# Altium PCB SuperClock_Core_backup.PcbDoc (continued)
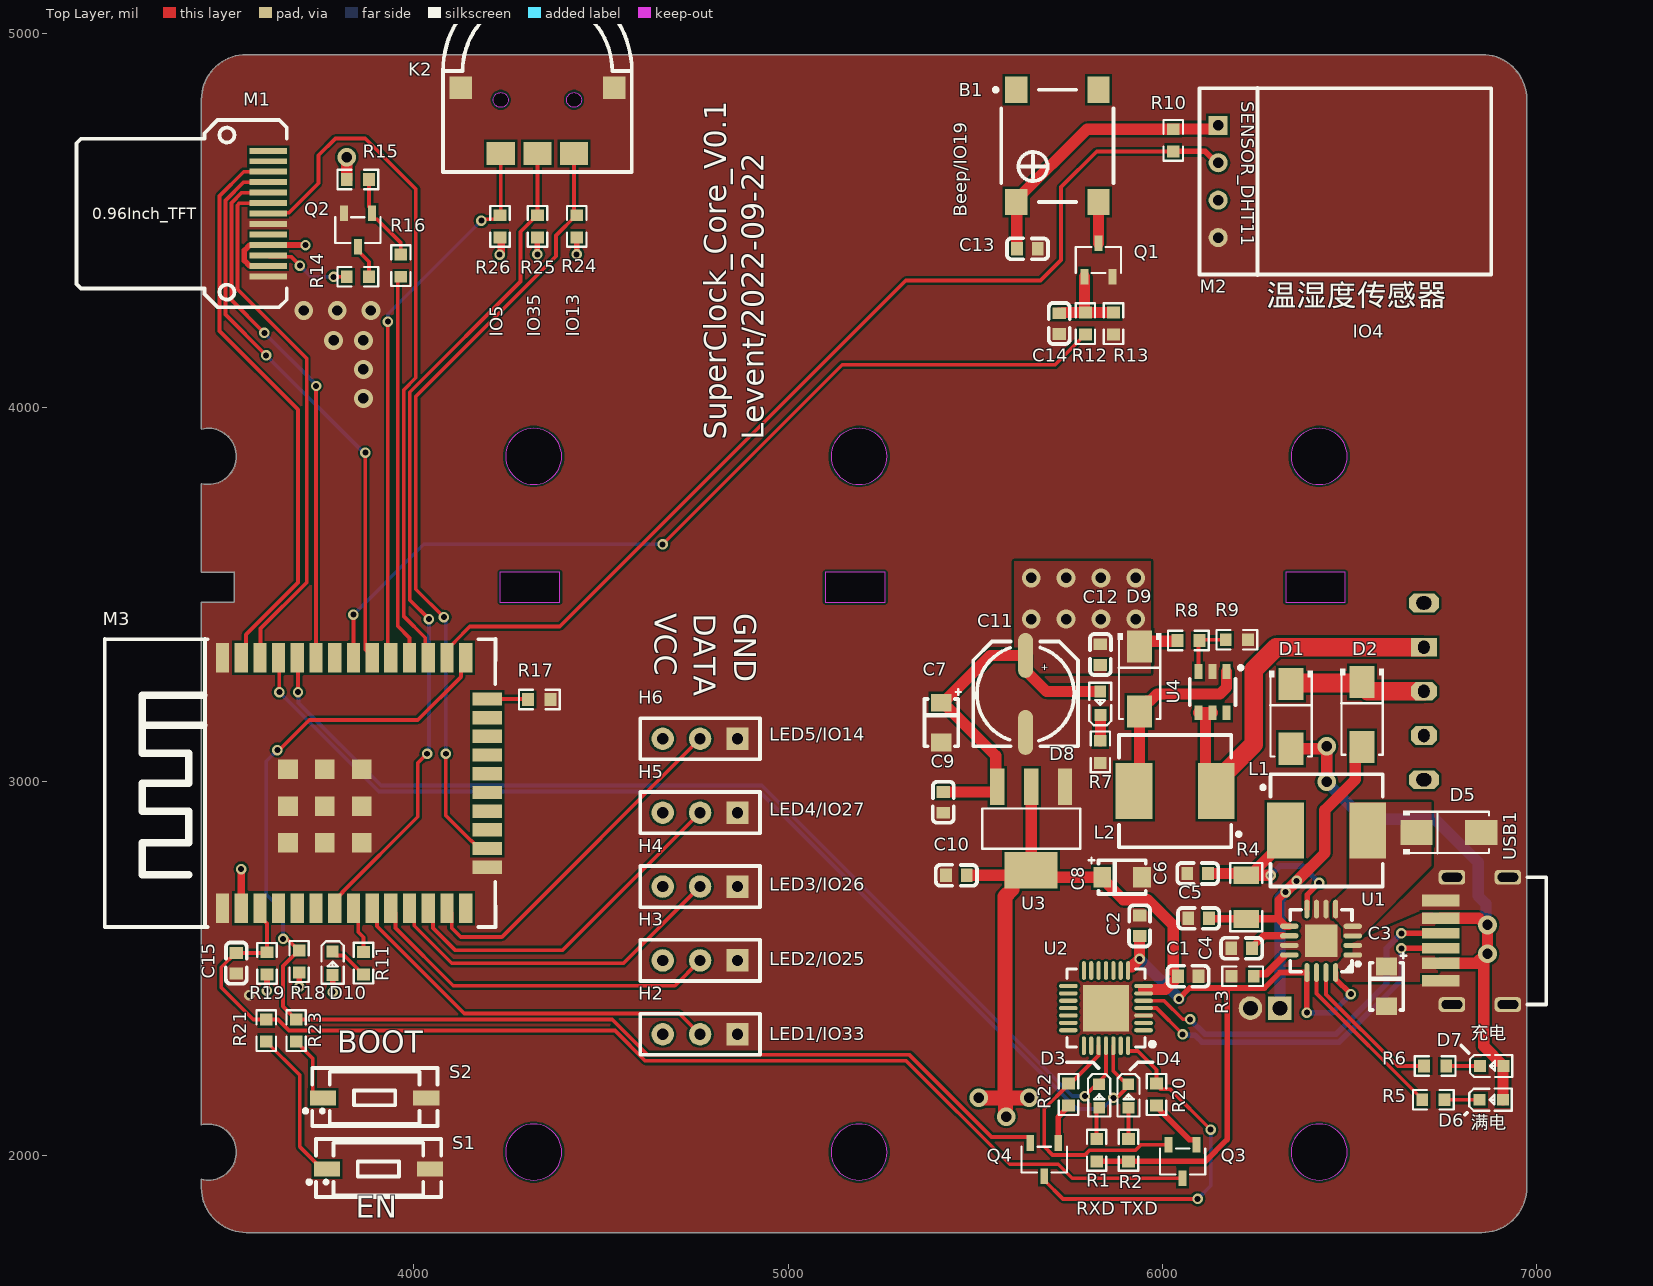
[diagram p0: Top Layer view]
## Components (designator, comment, footprint, x,y, rotation, side; value= is the part's Value field where it differs from the comment)
B1 "Beep_4Pin" Beep_4Pin_7525 5720,4700 r90 top
C1 "CAP" C0603 6070,2480 r0 top value=100nF
C2 "CAP" C0603 5940,2615 r90 top value=100nF
C3 "CAP_POL" CP1206 6600,2455 r270 top value=10uF
C4 "CAP" C0603 6212.56,2555 r180 top value=100nF
C5 "CAP" C0603 6097.56,2635 r180 top value=10uF
C6 "CAP" C0603 6095,2755 r180 top value=10uF
C7 "CAP_POL" CP1206 5410,3160 r270 top value=10uF
C8 "CAP_POL" CP1206 5891.38,2745 r0 top value=10uF
C9 "CAP" C0603 5415,2945 r270 top value=100nF
C10 "CAP" C0603 5450,2750 r180 top value=100nF
C11 "CAP_POL" CAP_SMD_6.3mm 5635,3235 r270 top value=220uF
C12 "CAP" C0603 5835,3340 r270 top value=10uF
C13 "CAP" C0603 5640,4425 r180 top value=100nF
C14 "CAP" C0603 5725,4225 r270 top value=100nF
C15 "Cap" C0603 3525,2515 r270 top value=1nF
D1 "Diode SBD" SMA_L4.3 6345,3175 r270 top
D2 "Diode SBD" SMA_L4.3 6535,3180 r270 top
D3 "LED" LED0603 5831.64,2160 r270 top
D4 "LED" LED0603 5909.98,2160 r270 top
D5 "Diode SBD" SMA_L4.3 6766.61,2865 r0 top
D6 "LED" LED0603 6880,2150 r0 top
D7 "LED" LED0603 6881.48,2240.14 r0 top
D8 "LED" LED0603 5835,3210 r90 top
D9 "Diode SBD" SMA_L4.3 5940,3275 r270 top
D10 "LED" LED0603 3782.32,2515 r270 top
H1 "Header_P2" PH_2Pin 6275.63,2395 r0 bottom
H2 "Header" H_2.54_P3 4765,2325 r180 top
H3 "Header" H_2.54_P3 4765,2522.5 r180 top
H4 "Header" H_2.54_P3 4765,2720 r180 top
H5 "Header" H_2.54_P3 4765,2917.5 r180 top
H6 "Header" H_2.54_P3 4765,3115 r180 top
K1 "KEY_3P" SWITCH_3P_2 6710,3215 r270 bottom
K2 "KEY_DIAL_3" KEY_DIAL_3 4330,4680 r0 top
L1 "INDU" SMD_L7.1 6439.77,2870 r0 top
L2 "INDU" SMD_L7.1 6034.76,2975 r180 top
M1 "TFT_0.96_13Pin" TFT_0.96_13Pin 3610,4519 r0 top
M2 "DHT11" SENSOR-TH_DHT11-HOR 6150,4605 r270 top
M3 "ESP32-WROOM-32D(U)" ESP32-WROOM-32D 3813.15,2996.57 r90 top
Q1 "SS8050" SOT-23-3 5830,4395 r270 top
Q2 "SS8050" SOT-23-3 3850,4475 r90 top
Q3 "SS8050" SOT-23-3 6055,1985 r90 top
Q4 "SS8550" SOT-23-3 5685,1990 r90 top
R1 "Reg" R0603 5825,2015 r270 top value=10K
R2 "Reg" R0603 5910,2015 r270 top value=10K
R3 "Reg" R0603 6215.35,2480 r180 top value=320K
R4 "Reg" R1206 6225,2691.78 r90 top value=0.05R
R5 "Reg" R0603 6725.35,2150 r0 top value=10K
R6 "Reg" R0603 6730,2240 r0 top value=10K
R7 "Reg" R0603 5835,3080 r90 top value=10K
R8 "Reg" R0603 6070.39,3377.55 r180 top value=2.2K
R9 "Reg" R0603 6200,3380 r0 top value=300R
R10 "Reg" R0603 6030,4715 r270 top value=10K
R11 "Reg" R0603 3865,2515 r270 top value=10K
R12 "Reg" R0603 5795,4225 r270 top value=1K
R13 "Reg" R0603 5870,4225 r270 top value=10K
R14 "Reg" R0603 3850,4350 r180 top value=10R
R15 "Reg" R0603 3850,4610 r180 top value=10K
R16 "Reg" R0603 3965,4380 r270 top value=1K
R17 "Reg" R0603 4335,3220 r0 top value=5K
R18 "Reg" R0603 3693.03,2519.66 r270 top value=5K
R19 "Reg" R0603 3607.04,2514.66 r270 top value=12K
R20 "Reg" R0603 5985,2164.07 r90 top value=12K
R21 "Reg" R0603 3605,2335 r90 top value=470R
R22 "Reg" R0603 5750,2164.07 r90 top value=12K
R23 "Reg" R0603 3685,2335 r90 top value=470R
R24 "Reg" R0603 4435,4485 r90 top value=10K
R25 "Reg" R0603 4330,4485 r90 top value=10K
R26 "Reg" R0603 4230,4485 r90 top value=10K
S1 "KEY-2P" KEY_SOT_P2 3905,1965 r180 top
S2 "KEY-2P" KEY_SOT_P2 3895,2155 r180 top
U1 "TP5000-QFN16" QFN-16_L4.0-W4.0-P0.65-BL-EP2.2 6425,2575 r90 top
U2 "CP2102-GM" QFN-28 5849.99,2395.01 r180 top
U3 "LDO" SOT-223 5650,2875 r90 top
U4 "SX1308" SOT-23-6 6135,3240 r90 top
USB1 "USB_TYPEC-6P" USB_TYPEC 6849.81,2574.69 r90 top

## Footprints (in the part's own frame and the unit in brackets; to place one, negate y for a bottom-side part, rotate by r counter-clockwise, add the part's x,y. Pads: shape width x height; smd on the part's side, far side on the other; paste and mask are expansions set on the pad)
Beep_4Pin_7525 [mil]
  rect 70x60 smd: 1(150,110) 2(-150,110) 3(-150,-110) 4(150,-110)
  silkscreen extent -150,-150 155,170
C0603 [mm]
  rect 0.8x0.9 smd: 1(-0.7,0) 2(0.7,0)
  silkscreen extent -1.41,-0.71 1.39,0.72, body extent -0.8,-0.41 0.8,0.45, height 0.89
CAP_SMD_6.3mm [mil] "SMD电容,10mm"
  oval 120x40 smd: 1(-103,0) 2(103,0)
  silkscreen extent -140,-140 140,140, body extent -137,-130 139,130, height 154
CP1206 [mm] "1206钽电容"
  rect 1.2x1.4 smd: 1(-1.305,0) 2(1.395,0)
  silkscreen extent -2.22,-1.14 1.65,1.33
ESP32-WROOM-32D [mm] "ESP32-WROOM-32D"
  rect 2x0.9 smd: 1(-8.5,8.255) 1(-8.5,8.255) 2(-8.5,6.985) 3(-8.5,5.715) 4(-8.5,4.445) 5(-8.5,3.175) 6(-8.5,1.905) 7(-8.5,0.635) 8(-8.5,-0.635) 9(-8.5,-1.905) 10(-8.5,-3.175) 11(-8.5,-4.445) 12(-8.5,-5.715) 13(-8.5,-6.985) 14(-8.5,-8.255) 25(8.5,-8.255) 26(8.5,-6.985) 27(8.5,-5.715) 28(8.5,-4.445) 29(8.5,-3.175) 30(8.5,-1.905) 31(8.5,-0.635) 32(8.5,0.635) 33(8.5,1.905) 34(8.5,3.175) 35(8.5,4.445) 36(8.5,5.715) 37(8.5,6.985) 38(8.5,8.255) 38(8.5,8.255)
  rect 0.9x2 smd: 15(-5.715,-9.725) 15(-5.715,-9.725) 16(-4.445,-9.725) 17(-3.175,-9.725) 18(-1.905,-9.725) 19(-0.635,-9.725) 20(0.635,-9.725) 21(1.905,-9.725) 22(3.175,-9.725) 23(4.445,-9.725) 24(5.715,-9.725)
  rect 1.33x1.33 smd: 39(-4.064,-1.19) 39(-4.064,-1.19) 39(-4.064,1.31) 39(-4.064,1.31) 39(-4.064,3.81) 39(-4.064,3.81) 39(-4.064,3.81) 39(-4.064,3.81) 39(-1.564,3.81) 39(-1.564,3.81) 39(-1.564,-1.19) 39(-1.564,1.31) 39(0.936,3.81) 39(0.936,3.81) 39(0.936,-1.19) 39(0.936,1.31)
  Keep-Out Layer region: -9.779,16.256 9.779,16.256 9.779,9.525 -9.779,9.525
  silkscreen extent -9.78,-10.29 9.78,16.26, body extent -9,-9.83 9,15.67, height 2.91
H_2.54_P3 [mil] "3Pin Header"
  rect 60x60 hole 30: 1(-100,0)
  round 60 hole 30: 2(0,0) 3(100,0)
  silkscreen extent -160,-55 160,55, body extent -150,-45 150,55, height 315
KEY_DIAL_3 [mil]
  rect 60x60 smd: 1(-205,175) 2(205,175)
  rect 75x61 smd: 3(-98,0) 4(0,0) 5(98,0)
  Keep-Out Layer board cut-out: -98,123 -105.65,124.52 -112.14,128.86 -116.48,135.35 -118,143 -118,143 -116.48,150.65 -112.14,157.14 -105.65,161.48 -98,163 -98,163 -90.35,161.48 -83.86,157.14 -79.52,150.65 -78,143 -78,143 -79.52,135.35 -83.86,128.86 -90.35,124.52 -98,123
  Keep-Out Layer board cut-out: 98,123 90.35,124.52 83.86,128.86 79.52,135.35 78,143 78,143 79.52,150.65 83.86,157.14 90.35,161.48 98,163 98,163 105.65,161.48 112.14,157.14 116.48,150.65 118,143 118,143 116.48,135.35 112.14,128.86 105.65,124.52 98,123
  silkscreen extent -252,-50 252,472
KEY_SOT_P2 [mil] "KEY_SOT_P2"
  rect 70x40 smd: 1(137.8,0) 2(-137.8,0)
  silkscreen extent -168,-80 190,75, body extent -162,-72 159,70, height 98
LED0603 [mm]
  rect 0.8x0.8 smd: 1(-0.799,-0.003) 2(0.799,0.004)
  silkscreen extent -1.49,-0.75 1.39,0.76, body extent -0.83,-0.34 0.83,0.38, height 0.68
PH_2Pin [mm]
  rect 1.6x1.6 hole 1: 1(1,0)
  round 1.6 hole 1: 2(-1,0)
  silkscreen extent -2.92,-3.05 2.92,1.65
QFN-16_L4.0-W4.0-P0.65-BL-EP2.2 [mm] "QFN16"
  oval 0.35x1.27 smd: 1(-0.965,-2.154) 2(-0.315,-2.154) 3(0.335,-2.154) 4(0.986,-2.154) 9(0.991,2.154) 10(0.34,2.154) 11(-0.31,2.154) 12(-0.96,2.154)
  oval 1.27x0.35 smd: 5(2.154,-0.991) 6(2.154,-0.34) 7(2.154,0.31) 8(2.154,0.96) 13(-2.154,0.96) 14(-2.154,0.31) 15(-2.154,-0.34) 16(-2.154,-0.991)
  rect 2.2x2.2 smd: 17(0,0)
  silkscreen extent -2.11,-2.64 2.1,2.1
QFN-28 [mm]
  oval 1.27x0.28 smd mask+0.051: 1(-2.552,1.501) 2(-2.552,1.001) 3(-2.552,0.501) 4(-2.552,0) 5(-2.552,-0.5) 6(-2.552,-1.001) 7(-2.552,-1.501) 15(2.552,-1.501) 16(2.552,-1.001) 17(2.552,-0.5) 18(2.552,0) 19(2.552,0.501) 20(2.552,1.001) 21(2.552,1.501)
  oval 0.28x1.27 smd mask+0.051: 8(-1.501,-2.552) 9(-1.001,-2.552) 10(-0.501,-2.552) 11(0,-2.552) 12(0.5,-2.552) 13(1.001,-2.552) 14(1.501,-2.552) 22(1.501,2.552) 23(1.001,2.552) 24(0.5,2.552) 25(0,2.552) 26(-0.501,2.552) 27(-1.001,2.552) 28(-1.501,2.552)
  rect 3.15x3.15 smd mask+0.051: 29(0,0)
  silkscreen extent -3.3,-2.65 2.65,2.65
R0603 [mil]
  rect 31.75x34.02 smd: 1(-29.65,0) 2(29.65,0)
  silkscreen extent -55,-26 55,26, body extent -31,-17 32,17, height 19
R1206 [mil]
  rect 47.54x66.97 smd: 1(-58.22,0) 2(58.22,0)
  silkscreen extent -91,-42 91,42, body extent -63,-31 63,32, height 22
SENSOR-TH_DHT11-HOR [mil]
  rect 51x51 hole 28 mask+2: 1(-150,0)
  round 51 hole 28 mask+2: 2(-50,0) 3(50,0) 4(150,0)
  silkscreen extent -250,-50 250,730, body extent -237,-14 235,714, height 217
SMA_L4.3 [mm] "SMA_DIode"
  rect 2.185x1.7 smd: 1(-2.2,0) 2(2.2,0)
  silkscreen extent -3.11,-1.48 2.73,1.48, body extent -2.6,-1.3 2.6,1.3, height 2.4
SMD_L7.1 [mm]
  rect 2.5x3.8 smd: 1(-2.8,0) 2(2.8,0)
  silkscreen extent -4.44,-3.81 3.81,3.81, body extent -3.65,-3.3 3.65,3.3, height 4.95
SOT-23-3 [mm] "SOT-23-3"
  rect 1.07x0.532 smd: 1(1.135,-0.95) 2(1.135,0.95) 3(-1.135,0)
  silkscreen extent -0.88,-1.54 0.88,1.54, body extent -1.14,-1.46 1.2,1.46, height 1.08
SOT-23-6 [mm]
  rect 1x0.55 smd: 1(1.4,-0.95) 2(1.4,0) 3(1.4,0.95) 4(-1.4,0.95) 5(-1.4,0) 6(-1.4,-0.95)
  silkscreen extent -0.9,-2.03 1.78,1.55, body extent -1.21,-1.4 1.21,1.4, height 1.09
SOT-223 [mm]
  rect 2.47x0.98 smd mask+0.051: 1(2.835,-2.3) 2(2.835,0) 3(2.835,2.3)
  rect 2.47x3.6 smd mask+0.051: 2(-2.835,0)
  silkscreen extent -1.37,-3.33 1.37,3.33
SWITCH_3P_2 [mil]
  rect 50x70 hole 30 slot 35 at 0 deg: 1(-145,10)
  oct 50x70 hole 30 slot 35 at 0 deg: 2(-26.89,10) 3(91.22,10)
  oct 50x80 hole 40 slot 35 at 0 deg: 4(-263.11,10) 4(209.33,10)
  silkscreen extent -263,-502 209,-46
TFT_0.96_13Pin [mil]
  rect 100x16 smd: 1(0,168) 2(0,140) 3(0,112) 4(0,84) 5(0,56) 6(0,28) 7(0,0) 8(0,-28) 9(0,-56) 10(0,-84) 11(0,-112) 12(0,-140) 13(0,-168)
  silkscreen extent -512,-250 50,250
USB_TYPEC [mil] "USB_TYPEC-6P"
  rect 31.5x100 smd mask+2: 1(-59.69,104.81) 1(60.31,104.81) 4(-106.3,104.81) 4(108.18,104.81)
  rect 27.56x100 smd mask+2: 2(-19.69,104.81) 3(20.31,104.81)
  rrect50% 39.37x70.87 hole 55.12 slot 23.62 at 0 deg: 5(-170.08,-74.8) 5(-170.08,74.81) 5(170.08,-74.8) 5(170.08,74.81)
  silkscreen extent -170,-177 170,-127, body extent -207,-182 207,147, height 194

## Part data
B1: "4Pin蜂鸣器"
C1 C2 C4 C5 C6 C9 C10 C12 C13 C14: "Cap", BOM_Manufacturer="Huaxin S&T", BOM_Manufacturer Part=0603B103K101CT, BOM_Supplier=LCSC, BOM_Supplier Part=C302008, Contributor=LCSC, nameAlias=Capacitance, spicePre=C, spiceSymbolName=0603B103K101CT
C3 C7 C8 C11: "极性电容"
C15: library part CAP, BOM_Manufacturer="Huaxin S&T", BOM_Manufacturer Part=0603B103K101CT, BOM_Supplier=LCSC, BOM_Supplier Part=C302008, Contributor=LCSC, nameAlias=Capacitance, spicePre=C, spiceSymbolName=0603B103K101CT
D1 D2 D5 D9: "Schottky Rectifier", ComponentLink1Description="Manufacturer Link", ComponentLink1URL=http://www.irf.com/, ComponentLink2Description=Datasheet, ComponentLink2URL=http://www.irf.com/product-info/datasheets/data/10tq.pdf, DatasheetVersion=PD-2.057B, LatestRevisionDate=17-Jul-2002, LatestRevisionNote="Re-released for DXP Platform.", Note="Terminal 2 is the TAB and is electrically connected to the cathode", PackageDescription="TO, Thru-Hole, Vertical, Heatsink Mounted; 3 In-Line Leads (1 Absent); Pitch 2.54 mm", PackageReference=TO-220AC, PackageVersion=Feb-1998, Published=8-Jun-2000, Publisher="Altium Limited"
D3 D4 D6 D7 D8 D10: library part LED0, LatestRevisionDate=08-Jul-2005, LatestRevisionNote="Mech Layer 1 removed.", PackageDescription="LED; 2 Leads", PackageReference=LED-0, Published=8-Jun-2000, Publisher="Altium Limited"
H1: "2Pin排针"
H2 H3 H4 H5 H6: library part Header_P3, "3Pin接口"
K1: "3Pin按键"
K2: "3向拨轮开关"
L1 L2: library part IND, "电感", BOM_JLCPCB Part Class="Extended Part", BOM_Manufacturer="Sunltech Tech", BOM_Manufacturer Part=SLO0630H150MTT, BOM_Supplier=LCSC, BOM_Supplier Part=C182182, Contributor=LCSC, nameAlias=Inductance, spicePre=L, spiceSymbolName=SLO0630H150MTT
M1: "ST7735_TFT"
M2: "温湿度传感器"
Q1 Q2 Q3: "NPN", BOM_Manufacturer=AnBon, BOM_Manufacturer Part=SS8050, BOM_Paste Type=recommend, BOM_Supplier=LCSC, BOM_Supplier Part=C541705, Contributor=LCSC, spicePre=Q, spiceSymbolName=SS8050_C541705
Q4: "PNP", BOM_Manufacturer=AnBon, BOM_Manufacturer Part=SS8550, BOM_Supplier=LCSC, BOM_Supplier Part=C541706, Contributor=LCSC, spicePre=Q, spiceSymbolName=SS8550_C541706
R1 R2 R3 R4 R5 R6 R7 R8 R9 R10 R11 R12 R13 R14 R15 R16 R17 R18 R19 R20 R21 R22 R23 R24 R25 R26: library part Res, "电阻", BOM_Manufacturer="Viking Tech", BOM_Manufacturer Part=AR03BTCX1002A, BOM_Supplier=LCSC, BOM_Supplier Part=C465721, Contributor=LCSC, nameAlias="Resistance (Ohms)", spicePre=R, spiceSymbolName=AR03BTCX1002A
S1 S2: library part KEY_2P, "KEY-2Pp"
U1: BOM_JLCPCB Part Class="Extended Part", BOM_Manufacturer=TOPPOWER, BOM_Manufacturer Part=TP5000-QFN16, BOM_Supplier=LCSC, BOM_Supplier Part=C51699, spicePre=U, spiceSymbolName=TP5000-QFN16
U2: "CP2102USB转串口", JLCPCB Part Class="Extended Part", LCSC Part Name="Silicon Labs-MCU", Manufacturer="SILICON LABS(芯科)", Supply Voltage=-, Add into BOM=yes, Convert to PCB=yes, Data Rate=-, Datasheet=https://atta.szlcsc.com/upload/public/pdf/source/20190920/C430012_1BEF61EC258E8DA8CB0C9799CDAE6C98.pdf, Device=CP2102-GM, Manufacturer Part=CP2102-GM, Name=CP2102-GM, Number of Drivers/Receivers=-, Protocol=-, Supplier=LCSC, Supplier Footprint=QFN-28, Supplier Part=C430012, Symbol=CP2102-GM, Type=-
U3: library part AMS1117
U4: "升压PWM", BOM_JLCPCB Part Class="Extended Part", BOM_Manufacturer=SX, BOM_Manufacturer Part=SX1308, BOM_Supplier=LCSC, BOM_Supplier Part=C78162, sourceId=g4Yg9rJ1j, spicePre=U, spiceSymbolName=SX1308, timeStamp=1472247539
USB1: library part USB_TYPEC

## Via types
v1: diameter 28, hole 16, Top Layer to Bottom Layer, tented both sides, 43 vias
v2: diameter 50, hole 28, Top Layer to Bottom Layer, tented both sides, 23 vias

## Nets (pads, with @x,y where several pads share a name; then routed paths per layer and width w, separated by ;. In a path a pad name is that pad's centre, name@x,y a point inside that pad or via, vN(x,y) a via of type N, cw(c..) or ccw(c..) an arc to the next point about the centre after c; other vN are vias at no path point)
B_BEEP: M3.31 R12.2 | length 2382.5
  Top Layer w10: M3.31 v1(3838.15,3446.85) ; v1(4665,3635) 5145,4115 5713.52,4115 5793.87,4195.35 R12.2
  Bottom Layer w10: v1(3838.15,3446.85) 4026.3,3635 v1(4665,3635)
CHA_STAT: R6.1 U1.15 | length 399.9
  Top Layer w10: U1.15 6438.4,2431.6 6630,2240 R6.1
CHOK_STAT: R5.1 U1.14 | length 457.4
  Top Layer w10: U1.14 6412.8,2434.03 6695.69,2151.13 R5.1
D_BLK: M3.28 R16.2 | length 1035.3
  Top Layer w10: R16.2 3957,4342.35 3957,3415.95 3988.15,3384.8 M3.28
D_BLK_K: M1.11 R14.2 | length 234
  Top Layer w10: M1.11 3613,4404 3671,4404 v1(3695,4380) ; v1(3785,4350) R14.2
  Bottom Layer w10: v1(3695,4380) 3725,4350 v1(3785,4350)
D_CS: M1.7 M3.27 | length 1872.1
  Top Layer w10: M1.7 3612.61,4521.61 3666.61,4521.61 3745,4600 3745,4675 3790,4720 3870,4720 4005,4585 4005,4080 3973,4048 3973,3442 4030,3385 4030,3339.37 M3.27
D_DC: M1.5 M3.33 | length 1419.5
  Top Layer w10: v1(3600,4200) 3512,4288 3512,4547.77 3539.23,4575 M1.5 ; M3.33 v1(3738.15,4058.15)
  Bottom Layer w10: v1(3600,4200) 3738.15,4061.85 v1(3738.15,4058.15)
D_RES: M1.6 M3.36 | length 1422.8
  Top Layer w10: M3.36 3590,3333.07 3590,3410 3713.15,3533.15 3713.15,4131.85 3528,4317 3528,4541.14 3533.86,4547 M1.6
D_SCL: M1.4 M3.30 | length 1524.2
  Top Layer w10: v1(3605,4140) 3496,4249 3496,4554.4 3544.6,4603 M1.4 ; v1(3870,3880) 3870,3353.07 3890,3333.07 M3.30
  Bottom Layer w10: v1(3605,4140) 3865,3880 v1(3870,3880)
D_SDA: M1.3 M3.37 | length 1541.5
  Top Layer w10: M3.37 3550.87,3343.94 3550.87,3393.49 3690,3532.63 3690,3995 3480,4205 3480,4565.89 3545,4630.89 3609.89,4630.89 M1.3
GND: C1.2 C2.2 C3.2 C4.2 C5.2 C6.2 C7.2 C8.2 C9.2 C10.2 C11.2 C12.2 C13.1 C14.2 C15.2 D5.2 H1.2 H2.1 H3.1 H4.1 H5.1 H6.1 K2.1 K2.2 M1.8 M1.13 M2.4 M3.1 M3.15 M3.38 M3.39 Q1.2 Q2.2 R3.2 R7.1 R9.2 R13.2 R17.2 S1.2 S2.2 U1.6 U1.7 U1.11 U1.17 U2.3 U2.29 U3.1 U4.2 USB1.4 USB1.5
  other v1: 3560,2430
  other v2: 3865,4025 3865,4102.5 3785,4180 3865,4180 3705,4260 3795,4260 3885,4260
LED_1: H2.2 M3.9 | length 1037
  Top Layer w10: M3.9 3900.87,2649.21 3900.87,2614.13 4134.35,2380.66 4709.35,2380.66 H2.2
LED_2: H3.2 M3.10 | length 964
  Top Layer w10: M3.10 3950.87,2649.21 3950.87,2609.13 4105,2455 4697.5,2455 H3.2
LED_3: H4.2 M3.11 | length 942.6
  Top Layer w10: M3.11 4000.78,2649.3 4000.78,2615.27 4101.04,2515 4560,2515 H4.2
LED_4: H5.2 M3.12 | length 948.9
  Top Layer w10: M3.12 4050.87,2649.21 4050.87,2609.13 4110,2550 4397.5,2550 H5.2
LED_5: H6.2 M3.13 | length 951.7
  Top Layer w10: M3.13 4100.87,2649.21 4100.87,2609.13 4125,2585 4235,2585 H6.2
NetB1_3: B1.3 Q1.3 | length 110.3
  Top Layer w30: Q1.3 B1.3
NetC4_1: C4.1 U1.10 | length 98.6
  Top Layer w20: C4.1 6240.11,2556.97 6271.54,2588.4 U1.10@6323.76,2588.4
NetC6_1: C6.1 L1.1 R4.2 U1.8 | length 571.8
  Top Layer w15: U1.8 6387.81,2660.41 6387.81,2697.81 v1(6420,2730)
  Top Layer w30: C6.1 6220,2755 R4.2 R4.2@6234.71,2750 ; v1(6290,2750) R4.2@6234.71,2750 ; L1.1 6329.54,2844.41 6295.32,2810.2 6294.91,2810.2 R4.2@6234.71,2750
  Bottom Layer w15: v1(6290,2750) 6315,2775 6375,2775 v1(6420,2730)
NetC14_1: C14.1 Q1.1 R12.1 R13.1 | length 241.7
  Top Layer w30: C14.1 5725.75,4253.3 5731.64,4253.3 5732.99,4254.65 R12.1@5793.87,4254.65 ; Q1.1 5792.6,4255.92 R12.1@5793.87,4254.65 ; R13.1@5869.65,4254.65 R12.1 R12.1@5793.87,4254.65
NetD1_1: D1.1 D2.1 K1.2 | length 372.9
  Top Layer w50: D1.1 6347.5,3264.11 6532.5,3264.11 D2.1 6535,3257.07 6550.18,3241.89 K1.2
NetD3_2: D3.2 R1.1 | length 83.9
  Top Layer w10: R1.1 5825,2128.39 D3.2@5825.14,2128.52
NetD4_2: D4.2 R2.1 | length 78.9
  Top Layer w10: R2.1 5910,2123.39 D4.2@5910.14,2123.52
NetD5_1: D5.1 L1.2 U1.3 U1.4 U1.5
NetD6_1: D6.1 R5.2 | length 93.6
  Top Layer w10: R5.2 6755.14,2149.86 D6.1
NetD7_1: D7.1 R6.2 | length 90.3
  Top Layer w10: R6.2 D7.1
NetD8_1: D8.1 R7.2 | length 68.9
  Top Layer w30: R7.2 5835.07,3109.72 D8.1 D8.1
NetD9_2: D9.2 L2.2 U4.1 | length 526.9
  Top Layer w30: L2.2 5940,2990.46 D9.2 5940,3197.93 5958.46,3216.4 5968.01,3216.4 5986.61,3235 6154.82,3235 6172.4,3252.57 U4.1
NetD10_1: D10.1 R11.2 | length 108.1
  Top Layer w10: D10.1 3792.93,2535.73 3813.49,2535.73 3863.87,2485.34 R11.2
NetQ2_1: Q2.1 R15.1 R16.1 | length 241
  Top Layer w10: R15.1 3879.66,4538.02 3887.4,4530.27 3887.4,4509.09 3892.87,4503.62 3901.91,4503.62 3965,4440.53 R16.1
NetQ2_3: Q2.3 R14.1 | length 92.6
  Top Layer w10: Q2.3 3850,4419.72 3879.66,4390.06 R14.1
NetQ3_1: Q3.1 R20.1 | length 155.2
  Top Layer w15: R20.1@5985,2130 5986.13,2130 6072.89,2043.24 6089.43,2043.24 6092.4,2040.27 Q3.1
NetQ4_1: Q4.1 R22.1 | length 107.8
  Top Layer w15: Q4.1 5722.4,2103.88 5748.87,2130.34 R22.1@5750,2130.34
NetR3_1: R3.1 U1.12 | length 103.3
  Top Layer w20: R3.1 6245,2481.13 6250.88,2487.01 6278.11,2487.01 U1.12@6325.2,2534.09
NetR21_1: R21.1 S1.1 | length 415.2
  Top Layer w10: R21.1 3695,2215.34 3695,2024.1 3754.1,1965 S1.1
NetR23_1: R23.1 S2.1 | length 188.6
  Top Layer w10: R23.1 3686.13,2305.34 3697.01,2294.47 3697.01,2293.34 3729.1,2261.25 3729.1,2170 3744.1,2155 S2.1
S_DTR: Q4.3 R20.2 U2.28 | length 986.9
  Top Layer w10: Q4.3 5685,1934.72 5735,1884.72 6094.72,1884.72 v1(6095,1885) ; U2.28 5909.1,2280.51 5909.57,2280.04 5934.96,2280.04 5985,2230 5985,2189.31 5995.88,2178.43 6021.57,2178.43 v1(6130,2070)
  Bottom Layer w10: v1(6095,1885) 6130,1920 v1(6130,2070)
S_RTS: Q3.2 R22.2 U2.24 | length 684.1
  Top Layer w10: U2.24 5830.1,2294.33 5830.1,2268.63 5751.13,2189.66 5750,2189.66 5748.87,2189.66 5685,2125.79 5685,2024.99 5707.37,2002.62 5793.83,2002.62 5806.22,2015 5928.78,2015 5943.46,2029.68 Q3.2
S_RXD: D3.1 M3.34 U2.25 | length 2816.7
  Top Layer w10: M3.34 3690,3329.37 v1(3690,3240) ; v1(5793.39,2160) 5850,2216.61 U2.25
  Bottom Layer w10: v1(3690,3240) 3691.63,3238.37 3691.63,3211 3912.63,2990 4930,2990 5760,2160 v1(5793.39,2160)
S_TXD: D4.1 M3.35 U2.26 | length 2973.9
  Top Layer w10: M3.35 3640,3329.37 v1(3640,3240) ; U2.26 5869.7,2226.64 5909.86,2186.47 5878.39,2155 v1(5870,2155)
  Bottom Layer w10: v1(3640,3240) 3906,2974 4923.37,2974 5772.37,2125 5840,2125 v1(5870,2155)
TS_DATA: M2.2 M3.26 R10.2 | length 2762.8
  Top Layer w10: M3.26 4088.15,3352.87 4108.81,3373.53 4108.81,3374.52 4149.29,3415 4390,3415 5315,4340 5675,4340 5730,4395 5730,4590 5825.35,4685.35 R10.2
  Top Layer w15: R10.2 6115.35,4685.35 6145.69,4655 M2.2
USB_D+: U2.4 USB1.2 | length 985.8
  Top Layer w10: U2.4 5985,2395 v1(6055,2325)
  Top Layer w15: v1(6640,2555) USB1.2
  Bottom Layer w15: v1(6055,2325) 6057.49,2322.51 6087.79,2322.51 6106.3,2304 6473.7,2304 6640,2470.3 v1(6640,2555)
USB_D-: U2.5 USB1.3 | length 999.2
  Top Layer w10: U2.5 6005.3,2414.7 6055,2365 v1(6075,2365)
  Top Layer w15: v1(6640,2595) USB1.3
  Bottom Layer w15: v1(6075,2365) 6115,2325 6465,2325 6600,2460 6600,2555 v1(6640,2595)
V33: B1.2 C1.1 C8.1 C10.1 C13.2 D10.2 M1.10 M1.12 M2.1 M3.2 R10.1 R15.2 R18.2 R19.2 R24.1 R25.1 R26.1 U2.6 U2.7 U3.2 | length 3370
  Top Layer w15: v1(3607.04,2442.04) R19.2 ; M1.12 3609.5,4379.5 3560.41,4379.5 3546.5,4393.41 3546.5,4420.59 3560.41,4434.5 3609.5,4434.5 M1.10 v1(3710,4435) ; v1(3693.03,2451.97) R18.2 ; v1(3782.46,2437.46) D10.2 ; v1@4330,4403.5 R25.1@4330,4448.85 ; v1@4435,4403.5 R24.1@4435,4443.85
  Top Layer w20: M3.2 v1(3538.15,2766.85) ; v1(4229.23,4409.23) 4233.47,4413.47 4233.47,4451.88 R26.1
  Top Layer w30: R15.2 v2(3820.34,4669.65) ; C10.1 U3.2@5636.61,2750 ; C13.2 5611.7,4425.75 5611.7,4548.3 B1.2 5610,4555 5799.65,4744.65 R10.1 6030.88,4745.53 6140.53,4745.53 M2.1 ; U3.2@5650,2986.61 5650,2763.39 5650,2745 C8.1 5840,2741.06 5896.06,2685 5960.72,2685 6030,2615.72 6030,2494.41 6042.44,2481.97 6042.44,2478.03 6009.41,2445 5950,2445
  Top Layer w40: v2(5510,2155) 5577.5,2155 ; 5580,2155 5580,2693.39 5599.13,2712.52 5599.13,2734.77 5627.76,2763.39 U3.2@5650,2763.39 ; v2(5583.09,2104.84) 5581.17,2106.76 5581.17,2146.76 5577.5,2150.43 5577.5,2155 ; v2(5645,2155) 5577.5,2155
  other v1: 4330,4410 4435,4410
VB_FB: R8.1 R9.1 U4.3 | length 154.8
  Top Layer w10: U4.3 6097.6,3375.1 R8.1 6102.5,3380 R9.1
VBAT: C5.1 D2.2 H1.1 R4.1 U1.9 | length 1136.6
  Top Layer w20: C5.1 6125.11,2634.31 6125.86,2633.56 R4.1 6310.37,2633.56 ; v1(6330,2705) 6310.37,2685.37 6310.37,2633.56 ; U1.9 6328.31,2614 6325.2,2617.11 6325.2,2618.74 6310.37,2633.56
  Top Layer w30: v1(6330,2705) v1(6360,2735) 6435,2810 6435,2925 6516.54,3006.54 6516.54,3074.92 D2.2
  Bottom Layer w30: H1.1 6315,2690 v1(6330,2705) v1(6360,2735)
VBUS: C2.1 C3.1 D1.2 D6.2 D7.2 R1.2 R2.2 U1.1 U1.2 U1.13 U1.16 U2.8 USB1.1 | length 3506.8
  Top Layer w15: R1.2 R2.2 6115.35,1985.35 6173.78,2043.78 6173.78,2448.78 ; v1(6045,2420) 6073.78,2448.78 6173.78,2448.78 ; v1(6387.2,2382.8) U1.13 6315.2,2490.2 6273.78,2448.78 6173.78,2448.78 ; U1.16 6464,2473.31 v1(6505,2432.31)
  Top Layer w30: 5918.78,2505.48 v1(5940,2526.7) C2.1 ; D1.2 6427.97,3088.39 v2@6434.59,3095 ; v2(6440,3000) 6440,3089.59 v2@6434.59,3095 ; v2(6440,3095) v2@6434.59,3095 ; USB1.1@6745,2515 6840,2515 6865,2540 v2(6870,2540) 6870,2534.59 6860,2524.59 6860,2293.23 D7.2 6911.48,2238.8 D6.2 ; USB1.1@6745,2635 6847.01,2635 6864.59,2617.43 v2(6870,2617.43) v2@6870,2545
  Bottom Layer w15: v1(6387.2,2382.8) 6455.5,2382.8 v1(6505,2432.31)
  Bottom Layer w30: v1(5940,2526.7) 6045,2421.7 v1(6045,2420) ; v2(6440,3095) v2(6440,3000) 6540,2900 6730,2900 6845,2785 6845,2695 6866.17,2673.83 6866.17,2621.25 v2(6870,2617.43) v2(6870,2540)
VCC5: C7.1 C9.1 C11.1 C12.1 D8.2 D9.1 H2.3 H3.3 H4.3 H5.3 H6.3 R8.2 U3.3 | length 1099.5
  Top Layer w30: C7.1 C7.1@5413.94,3211.38 ; C9.1 5555.16,2972.55 U3.3@5559.45,2976.85 ; U3.3 U3.3@5559.45,2976.85 ; D8.2 5691.52,3241.48 5635,3298 C11.1 5540.56,3338 C7.1@5413.94,3211.38 ; D9.1 5953.93,3375.54 6039.86,3375.54 6040.74,3376.42 R8.2 ; C7.1@5413.94,3211.38 5555.16,3070.16 5555.16,2981.14 U3.3@5559.45,2976.85
  other v2: 5650,3435 5743.33,3435 5836.67,3435 5930,3435 5650,3545 5743.33,3545 5836.67,3545 5930,3545
VSYS: K1.1 L2.1 U4.4 U4.5 | length 1105.4
  Top Layer w30: U4.4 6116.3,3184.88 ; U4.5 6116.3,3184.88 ; L2.1 6116.3,3003.7 6116.3,3184.88
  Top Layer w50: L2.1 6145,3000.59 6245,3100.59 6245,3300 6305,3360 K1.1
W_EN: C15.1 M3.3 Q3.3 R19.1 R21.2 | length 3099.6
  Top Layer w10: M3.3 3588.15,2640.28 3607.04,2621.39 R19.1 3605.29,2542.55 C15.1 3523.03,2542.55 3485,2504.52 3485,2450 3570.34,2364.66 R21.2 3636.56,2364.66 3666.22,2335 4537.37,2335 4618.37,2254 5316,2254 5592.63,1977.37 5722.63,1977.37 5759.69,1940.31 Q3.3
W_IO0: M3.25 Q4.2 R18.1 R23.2 | length 3541.9
  Top Layer w10: v1(3635,3085) 3639.87,3085 3647.88,3093.01 3648.01,3093.01 3720,3165 4010,3165 4125.54,3280.54 4125.54,3318.61 M3.25 ; v1(3650,2580) 3661.2,2580 R18.1@3691.89,2549.31 ; R18.1 R18.1@3691.89,2549.31 ; Q4.2 5647.6,2045.27 5642.13,2050.74 5544.26,2050.74 5325,2270 4625,2270 4530.35,2364.66 R23.2 3683.87,2364.66 3672.99,2375.53 3672.99,2376.66 3650,2399.66 3650,2507.42 R18.1@3691.89,2549.31
  Bottom Layer w10: v1(3635,3085) 3605,3055 3605,2698.72 3650,2653.72 v1(3650,2580)
W_IO2: M3.24 R17.1 | length 110
  Top Layer w10: M3.24 4303.77,3221.57 R17.1
W_KB: K2.4 M3.7 R25.2 | length 2285.4
  Top Layer w10: M3.7 3788.15,2683.58 3808.81,2704.24 3808.81,2705.23 4010,2906.42 4010,3050 v1(4035,3075) ; v1(4040,3435) 3989,3486 3989,4041.37 4285,4337.37 4285,4470.79 4328.87,4514.65 R25.2 K2.4
  Bottom Layer w10: v1(4035,3075) 4040,3080 v1(4040,3435)
W_KL: K2.3 M3.29 R26.2 | length 1498
  Top Layer w10: v1(3930,4230) 3930,3339.37 M3.29 ; v1(4180,4500) 4184.87,4500 4188.65,4503.78 4219.12,4503.78 R26.2 4232,4516.65 K2.3
  Bottom Layer w10: v1(3930,4230) 3930,4250 v1(4180,4500)
W_KR: K2.5 M3.16 R24.2 | length 2132.5
  Top Layer w10: v1(4080,3440) 4005,3515 4005,4030 4380,4405 4380,4460.79 4433.87,4514.65 R24.2 4428,4521.65 K2.5 ; v1(4085,3075) 4085,2909.97 4152.74,2842.23 4153.73,2842.23 4174.39,2821.57 M3.16
  Bottom Layer w10: v1(4080,3440) 4085,3435 v1(4085,3075)
W_LED: M3.8 R11.1 | length 128.4
  Top Layer w10: M3.8 3850.87,2649.21 3850.87,2598.61 3865,2584.48 R11.1
pads on no net: B1.1 B1.4 K1.3 K1.4 M1.1 M1.2 M1.9 M2.3 M3.4 M3.5 M3.6 M3.14 M3.17 M3.18 M3.19 M3.20 M3.21 M3.22 M3.23 M3.32 U2.1 U2.2 U2.9 U2.10 U2.11 U2.12 U2.13 U2.14 U2.15 U2.16 U2.17 U2.18 U2.19 U2.20 U2.21 U2.22 U2.23 U2.27 U4.6

## Polygon pours and split planes (outlines as drawn)
GND on Top Layer "NONET_L-01_P-001" (solid, pour order 4): 3432,1914.19 3432,1937.19 ccw(c3450,2010) 3431.94,2082.79 3431.94,2082.75 3431.94,3480 3520,3480 3520,3560 3431.94,3560 3431.94,3797.08 3432.44,3797.08 ccw(c3450,3870) 3432.5,3942.93 3432,3943.43 3432,4824.19 cw(c3552,4824.19) 3552,4944.19 6855,4944.19 cw(c6855.4,4824.59) 6975,4824.99 6975,1915 cw(c6855,1915) 6855,1795 3552,1795 cw(c3551.6,1914.6)
VCC5 on Top Layer "NONET_L-01_P-001" (solid, remove dead copper, pour order 2): 5605,3590 5605,3290 5970,3290 5970,3295 5970,3305 5970,3590
VBUS on Top Layer "NONET_L-01_P-001" (solid, pour order 0): 6510,2570 6509.8,2569.8 6509.8,2537 6492,2537 6460,2505 6460,2465 6805,2465 6805,2650 6695,2650
NetD5_1 on Top Layer "NONET_L-01_P-001" (solid, pour order 1): 6500,2945 6500,2720 6455,2675 6455,2635 6460,2635 6485,2610 6485,2585 6530,2585 6720,2775 6720,2945
no net on Mechanical 1 "NONET_L-01_P-001" (none): 3552,1789.99 6855,1789.99 ccw(c6855,1795) 6860.02,1795 ccw(c6855,1795) 6855,1800.02 3552,1800.02 ccw(c3552,1795)
GND on Bottom Layer "NONET_L-01_P-001" (solid, pour order 3): 3432,1914.19 3432,1937.19 ccw(c3450,2010) 3431.94,2082.79 3431.94,2082.75 3431.94,3480 3520,3480 3520,3560 3431.94,3560 3431.94,3797.08 3432.44,3797.08 ccw(c3450,3870) 3432.5,3942.93 3432,3943.43 3432,4824.19 cw(c3552,4824.19) 3552,4944.19 6855,4944.19 cw(c6855.4,4824.59) 6975,4824.99 6975,1915 cw(c6855,1915) 6855,1795 3552,1795 cw(c3551.6,1914.6)
V33 on VCC2 (split plane): 280 vertices, not listed, extent 3452.04,1815.07 6954.9,4924.11
VCC5 on VCC2 (split plane): 5984.9,2230.1 4575.1,2230.1 4575.1,3594.9 5984.9,3594.9
no net on GND3 (split plane): 280 vertices, not listed, extent 3452.04,1815.07 6954.9,4924.11

## Other copper
VCC2 (plane layer: these items are gaps in the copper):
  lines w10: 4570,2225 4570,3600 5990,3600 5990,2225 4570,2225

## Silkscreen, mask and mechanical layers (free items; w line width, h text height)
Top Overlay:
  lines w10: 5745,2250 5810,2250 5815,2250 5830,2235 ; 5915,2230 5930,2245 5935,2250 5975,2250 ; 6800,2295 6820,2275 ; 6810,2110 6815,2115
  text "Beep/IO19" at 5489.6,4510.04 h60 r90
  text "温湿度传感器" at 6280,4252.14 h100
  text "IO5" at 4249.38,4190.04 h60 r90
  text "IO35" at 4349.38,4190.04 h60 r90
  text "IO13" at 4454.38,4190.04 h60 r90
  text "IO4" at 6510.04,4175.62 h60
  text "SuperClock_Core_V0.1 / Levent/2022-09-22" at 4955,3915 h100 r90
  text "VCC" at 4623.68,3450 h100 r270
  text "DATA" at 4727.78,3449.93 h100 r270
  text "GND" at 4836.04,3450 h100 r270
  text "LED5/IO14" at 4950,3097.32 h60
  text "LED4/IO27" at 4950,2897.32 h60
  text "LED3/IO26" at 4950,2697.32 h60
  text "LED2/IO25" at 4950,2497.32 h60
  text "充电" at 6825,2299.98 h60
  text "LED1/IO33" at 4950,2297.32 h60
  text "BOOT" at 3795.07,2256.04 h100
  text "满电" at 6825,2059.98 h60
  text "RXD" at 5770.04,1830.17 h60
  text "TXD" at 5890.04,1830.17 h60
  text "EN" at 3845,1815 h100
Mechanical 1:
  circle w10: c6420,2010 r75
  circle w10: c6420,3870 r75
  circle w10: c4320,3870 r75
  circle w10: c4320,2010 r75
  circle w10: c5190,3870 r75
  circle w10: c5190,2010 r75
  lines w10: 3431.94,2082.75 3431.94,3480 3520,3480 3520,3560 3431.94,3560 3431.94,3797.08 ; 3431.94,2082.79 cw(c3450,2010) 3432,1937.19 3432,1914.19 ccw(c3551.6,1914.6) 3552,1795 6855,1795 ccw(c6855,1915) 6975,1915 6975,4825 ccw(c6855.4,4824.59) 6855,4944.19 3552,4944.19 ccw(c3552,4824.19) 3432,4824.19 3432,3943.43 ; 3432.44,3797.08 ccw(c3450,3870) 3432.5,3942.93 ; 4230,3480 4390,3480 4390,3560 4230,3560 4230,3480 ; 5100,3480 5260,3480 5260,3560 5100,3560 5100,3480 ; 6330,3480 6330,3560 6490,3560 6490,3480 6330,3480

## Text inside footprints (layer, text, board x,y; h text height)
C11: Top Overlay "+" at 5672.23,3315 h30 r270
M1: Top Overlay "0.96Inch_TFT" at 3140,4504 h30
M2: Top Overlay "SENSOR_DHT11" at 6199.82,4820 h60 r270